# KiCad board AMC_FMC_Carrier-PcbDoc.kicad_pcb (continued)
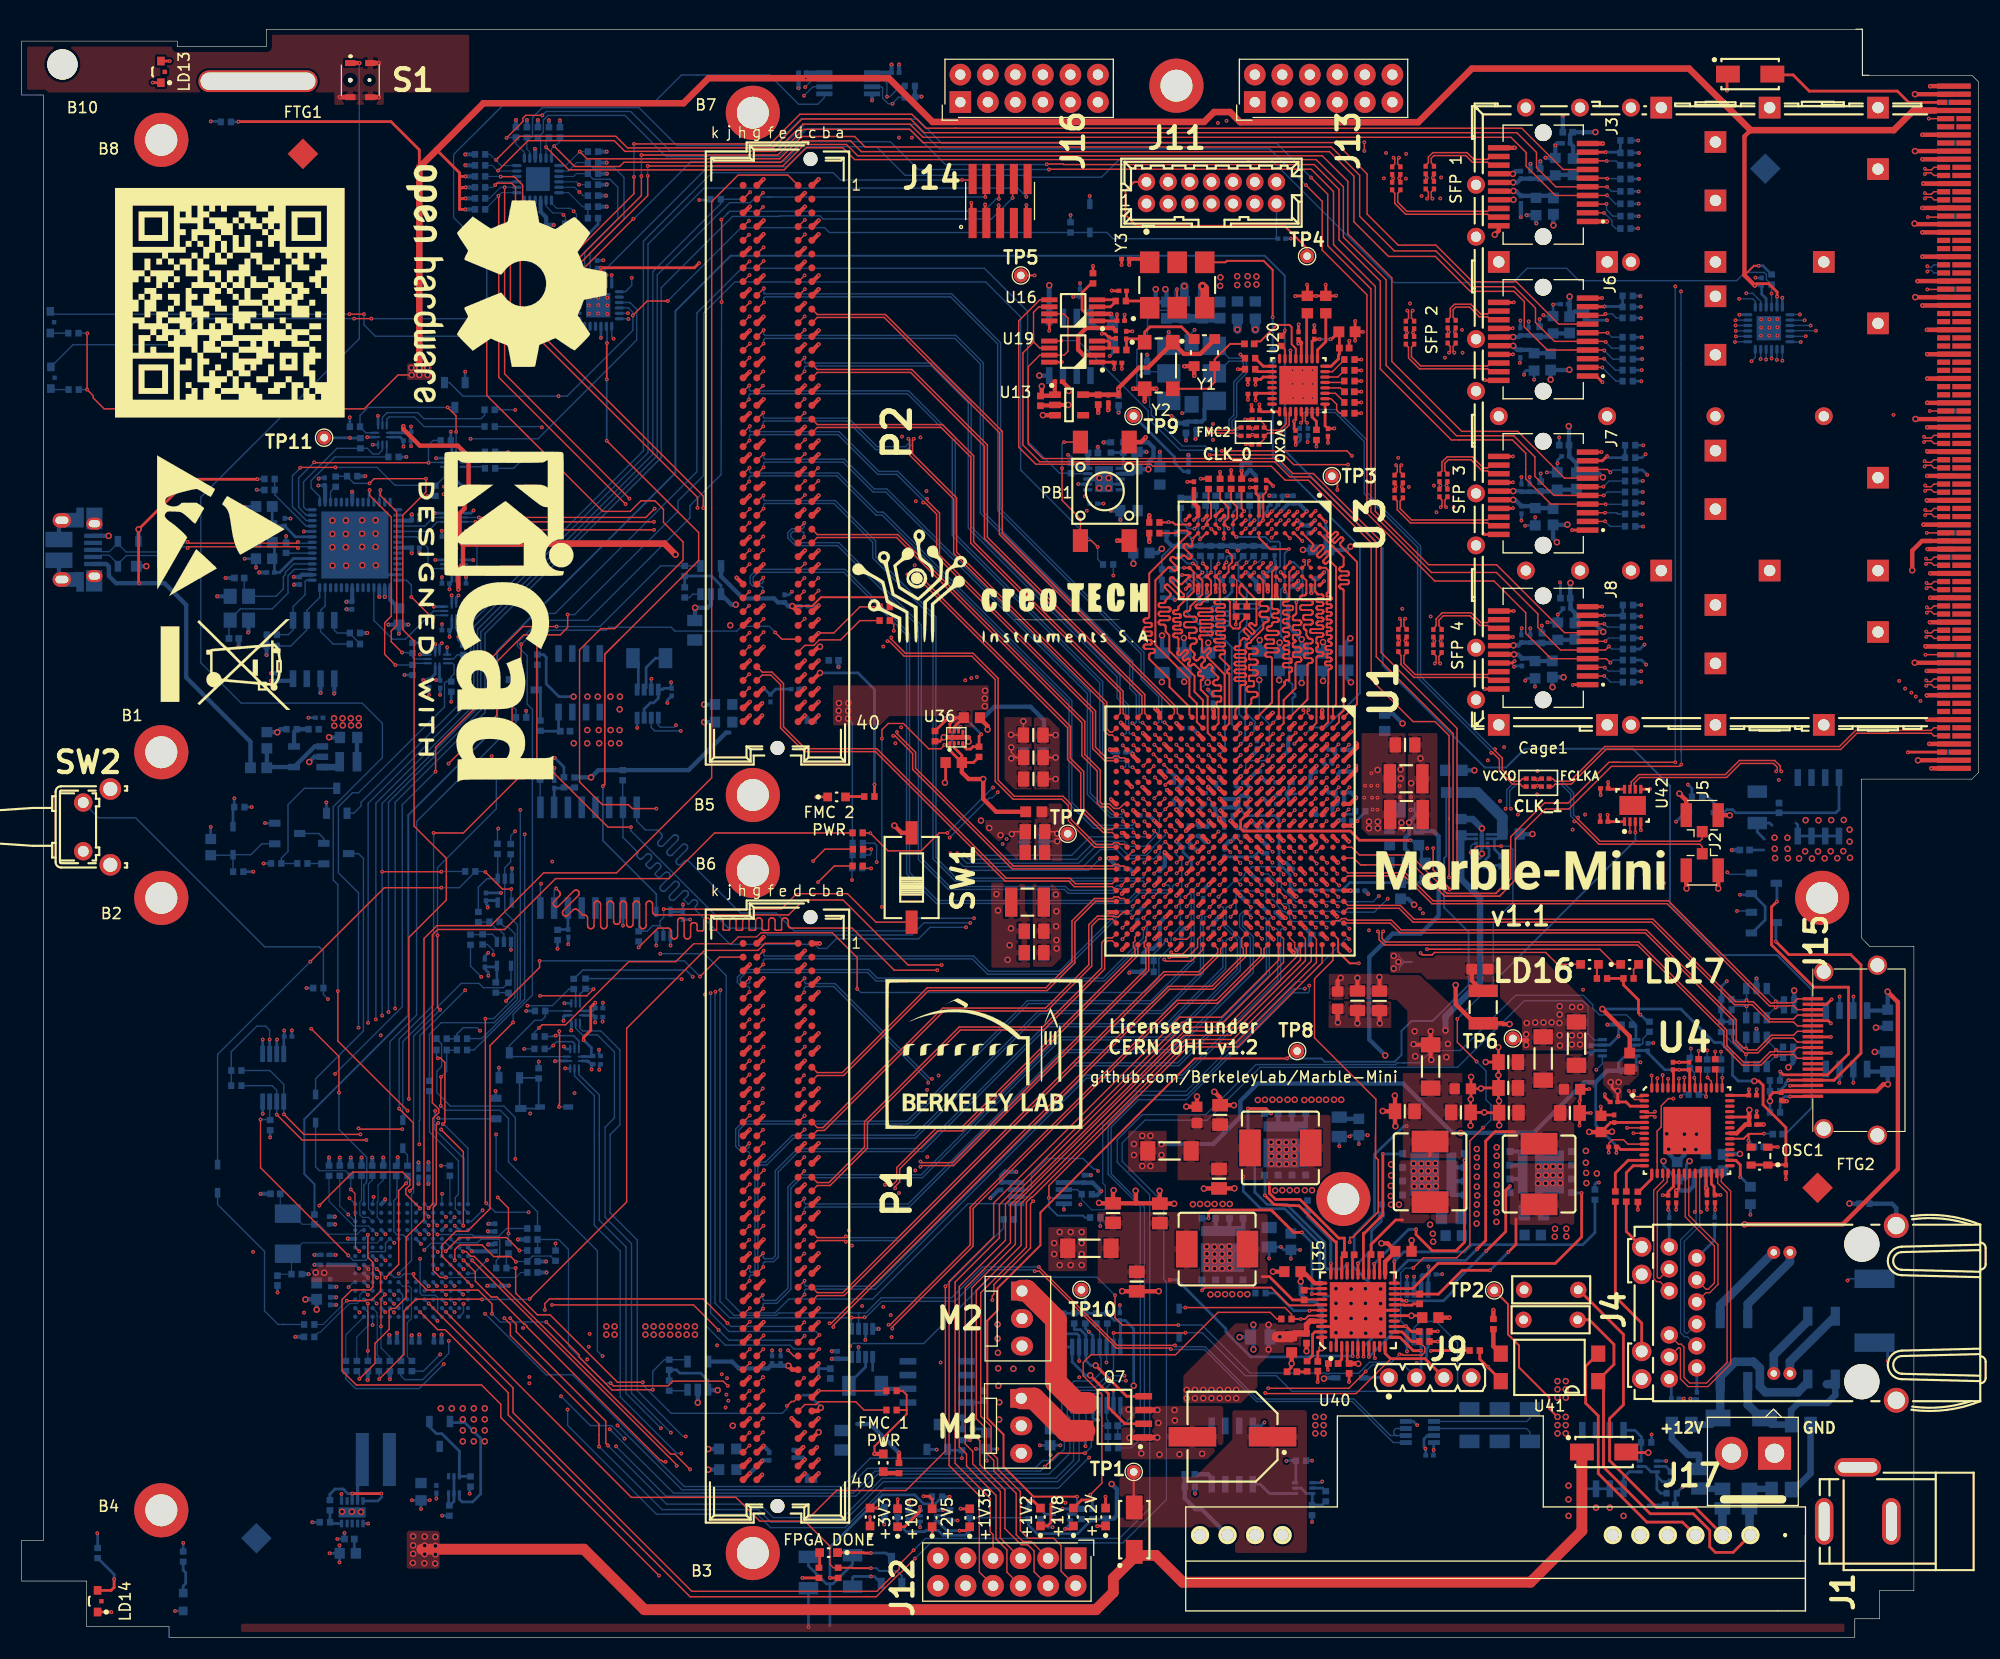
[diagram p0: board, top side]
## Routing (per net, layer and track width the routed paths; a pad name or vN(x,y) marks a point on that pad's centre or on a via; arc(x,y) is an arc through that point) (continued)
/FMC_1/FMC1_CLK1_M2C_N: length 39.3
  Top w0.112: 102.52,66.45 v1(102.46,66.45)
  Top w0.13: v1(102.46,66.45) 102.97,66.96 U1.Y19 ; P1.g3 v1(68.45,62.14)
  Bottom w0.13: v1(68.45,62.14) 68.45,62.52 68.58,62.65 87.74,62.65 89.15,61.24 95.89,61.24 101.45,66.8 102.37,66.8 102.46,66.71 v1(102.46,66.45)
/FMC_1/FMC1_CLK1_M2C_P: length 39.3
  Top w0.13: U1.Y18 103,67.96 v1(102.54,67.5) ; v1(68.48,63.41) 67.88,62.81 P1.g2
  Bottom w0.13: v1(102.54,67.5) 102.54,67.22 102.39,67.07 101.34,67.07 95.78,61.51 89.26,61.51 87.85,62.92 68.58,62.92 68.48,63.03 v1(68.48,63.41)
/FMC_1/FMC1_FUSE: length 35.3
  Top w0.127: v1(36.17,33.57) 36.17,33.32 37.42,32.07 42.13,32.07 43.41,30.79 v1(43.41,29.88) ; 55.09,22.85 55.11,22.87 v1(58.25,22.87) ; 55.09,22.85 54.99,22.85 ; 55.09,22.85 54.49,22.85 51.46,25.87 51.46,26.07 v1(48.41,29.12)
  Bottom w0.127: U2.F5 34,33.61 34.35,33.25 34.96,33.25 35.28,33.57 v1(36.17,33.57) ; U45.4 61.28,25.64 R260.2 59.33,25.64 58.25,24.57 v1(58.25,22.87) ; v1(43.41,29.88) 44.17,29.12 v1(48.41,29.12)
/FMC_1/FMC1_GBTCLK0_M2C_N: length 91.8
  Top w0.13: P1.d5 v1(72.24,59.58)
  In5.Cu w0.102: v1(83.67,51.22) 83.86,51.22 84.05,51.03 88.51,51.03 92.66,55.17 125.98,55.17 128.49,57.68 131.11,57.68 137.32,63.9 137.32,76.39 v1(137.45,76.52)
  Bottom w0.13: v1(137.45,76.52) 137.34,76.63 137.34,78.16 137.97,78.79 138.3,78.79 138.53,78.56 C295.1 ; v1(72.24,59.58) 72.24,59.96 72.38,60.1 74.95,60.1 83.67,51.38 v1(83.67,51.22)
/FMC_1/FMC1_GBTCLK0_M2C_P: length 91.9
  Top w0.13: P1.d4 v1(72.26,60.87)
  In5.Cu w0.102: v1(84.02,51.57) 84.02,51.39 84.15,51.26 88.42,51.26 92.56,55.4 125.88,55.4 128.4,57.91 131.02,57.91 137.1,63.99 137.1,76.39 v1(136.96,76.52)
  Bottom w0.13: v1(84.02,51.57) 83.86,51.57 75.06,60.37 72.38,60.37 72.26,60.49 v1(72.26,60.87) ; v1(136.96,76.52) 137.07,76.63 137.07,78.27 137.86,79.06 138.3,79.06 138.53,79.29 C293.1
/FMC_1/FMC1_PG_C2M: length 67.9
  Top w0.127: v1(46.89,31.25) 55.84,40.2 55.84,56.24 63.03,63.44 67.96,63.44 68.61,64.08 P1.d1 ; v1(32.99,23.84) 35.28,26.12 35.28,30.11 36.4,31.23 42.47,31.23 v1(42.49,31.2)
  Bottom w0.127: v1(32.99,23.84) 32.99,24.56 R153.1 ; v1(42.49,31.2) 46.84,31.2 v1(46.89,31.25)
/FMC_1/I2C_FMC1_SCL: length 127.2
  Top w0.127: v1(73.63,27.93) 72.96,27.25 P1.c30 ; v1(44.57,133.91) 44.57,116.68 v1(56.1,105.16)
  In2.Cu w0.127: v1(63.59,59.49) 63.59,66.81 59.8,70.6 59.8,85.32 59.05,86.07 59.05,91.38 56.12,94.31 56.12,105.13 v1(56.1,105.16)
  Bottom w0.102: U5.2 44.21,133.91 43.18,132.88 R45.1
  Bottom w0.127: 65.77,28.24 65.28,28.24 63.59,29.93 v1(63.59,59.49) ; 65.77,28.24 65.67,28.24 ; 65.77,28.24 73.32,28.24 v1(73.63,27.93) ; 44.51,133.91 v1(44.57,133.91)
/FMC_1/I2C_FMC1_SDA: length 128.2
  Top w0.127: v1(73.61,26.63) 72.96,25.98 P1.c31 ; v1(55.74,104.65) 44.03,116.36 44.03,133.1 v1(44,133.12)
  In2.Cu w0.127: 59.38,78.17 59.38,84.96 58.58,85.76 58.58,90.73 55.74,93.57 v1(55.74,104.65) ; 59.38,78.17 59.38,70.15 63.07,66.47 v1(63.07,59.36) ; 59.38,78.17 59.38,78.26
  Bottom w0.102: R46.1 42.79,131.88 44,133.1 v1(44,133.12) 44.29,133.41 U5.1
  Bottom w0.127: v1(63.07,59.36) 63.09,59.33 63.09,28.83 64.93,26.99 70.92,26.99 71.27,26.63 v1(73.61,26.63)
/FMC_2/FMC2_3P3VAUX: length 20.2
  Top w0.178: R299.1 80.12,95.65 79.72,96.05 73.78,96.05 72.97,95.24 v2(71.12,95.24)
  Top w0.4: v2(71.12,95.24) 71.64,94.72 P2.d32
  Bottom w0.4: U44.5 64.55,97.97 66.59,95.94 69.45,95.94 69.81,95.57 C10.1 70.77,95.21 C9.1
/FMC_2/FMC2_CLK0_M2C_N: length 73.1
  Top w0.13: P2.h5 66.61,129.01 v1(67.13,129.53) ; U1.W4 v1(103.55,82.44)
  In2.Cu w0.102: v1(103.55,82.44) 103.86,82.44 103.94,82.51 103.94,87.61 91.15,100.4 91.15,119.78 80.86,130.06 67.26,130.06 67.13,129.93 v1(67.13,129.53)
/FMC_2/FMC2_CLK0_M2C_P: length 73.5
  Top w0.13: U1.V4 105.02,81.96 v1(104.55,82.44) ; P2.h4 v1(67.13,130.82)
  In2.Cu w0.102: v1(104.55,82.44) 104.27,82.44 104.16,82.54 104.16,87.7 91.38,100.49 91.38,119.87 80.96,130.29 67.26,130.29 67.13,130.42 v1(67.13,130.82)
/FMC_2/FMC2_CLK1_M2C_N: length 76.2
  Top w0.102: 106.58,82.41 v1(106.58,82.44)
  Top w0.13: v1(106.58,82.44) 107.03,81.98 U1.T4 ; v1(68.43,132.09) 67.88,131.55 P2.g3
  In2.Cu w0.102: v1(106.58,82.44) 106.88,82.44 106.95,82.5 106.95,86.88 106.11,87.72 106.11,89.42 92.57,102.96 92.57,121.71 81.65,132.63 68.53,132.63 68.43,132.52 v1(68.43,132.09)
/FMC_2/FMC2_CLK1_M2C_P: length 76.6
  Top w0.13: P2.g2 v1(68.43,133.39) ; U1.R4 108.02,81.96 v1(107.54,82.44)
  In2.Cu w0.102: v1(68.43,133.39) 68.43,132.96 68.53,132.85 81.75,132.85 92.8,121.8 92.8,103.06 106.34,89.52 106.34,87.82 107.17,86.98 107.17,82.52 107.26,82.44 v1(107.54,82.44)
/FMC_2/FMC2_FUSE: length 88.4
  Top w0.127: v1(49.36,93.34) 46.26,93.34 43.17,90.25 43.17,87.15 38.2,82.18 v1(38.2,79.95)
  In2.Cu w0.127: v1(30.17,32.35) 29.56,32.96 29.56,39.41 28.71,40.26 28.71,51.82 v1(28.93,52.03)
  Bottom w0.127: v1(49.36,93.34) 53.37,93.34 58.98,98.95 R258.2 62.63,98.95 U44.4 ; U2.E1 30.63,32.81 v1(30.17,32.35) ; v1(28.93,52.03) 35.13,58.23 35.13,76.87 v1(38.2,79.95)
/FMC_2/FMC2_GBTCLK0_M2C_N: length 54.7
  Top w0.13: P2.d5 71.74,129.01 v1(72.29,129.55) ; C291.1 112.21,110.95 111.96,111.2 109.58,111.2 v1(109.47,111.09)
  In5.Cu w0.102: v1(109.47,111.09) 109.34,111.22 93.15,111.22 92.21,112.16 92.21,120.82 82.92,130.11 72.39,130.11 72.29,130.01 v1(72.29,129.55)
/FMC_2/FMC2_GBTCLK0_M2C_P: length 54.7
  Top w0.13: v1(109.47,111.58) 109.58,111.47 111.96,111.47 112.21,111.72 C290.1 ; P2.d4 v1(72.29,130.9)
  In5.Cu w0.102: v1(109.47,111.58) 109.34,111.45 93.25,111.45 92.44,112.25 92.44,120.91 83.02,130.34 72.39,130.34 72.29,130.44 v1(72.29,130.9)
/FMC_2/FMC2_PG_C2M: length 139.5
  Top w0.127: P2.d1 70.71,135.04 66.14,135.04 63.69,132.59 63.69,79.37 54.91,70.6 48.18,70.6 43.31,65.72 38.33,65.72 37.13,64.53 37.13,38.59 35.48,36.94 35.48,31.37 34.48,30.38 34.1,30.38 33.92,30.2 33.92,28.45 32.61,27.15 32.61,25.31 v1(31.17,23.87)
  Bottom w0.127: v1(31.17,23.87) 31.17,24.35 R154.1
/FMC_2/I2C_FMC2_SCL: length 57.6
  Top w0.127: v1(73.53,97.82) 72.97,97.26 P2.c30 ; v1(62.92,104.28) 62.92,105.39 46.01,122.29 46.01,131.06 46.24,131.28 46.24,134.11 45.47,134.89 v1(44.21,134.89)
  In5.Cu w0.118: v1(73.53,97.82) 73.2,98.15 73.2,99.41 72.69,99.92 67,99.92
  In5.Cu w0.127: 67,99.92 66.77,99.92 64.85,101.84 64.85,102.81 63.37,104.28 v1(62.92,104.28)
  Bottom w0.102: R47.1 45.7,134.91 U5.4
/FMC_2/I2C_FMC2_SDA: length 59.3
  Top w0.127: v1(62.38,104.3) 62.38,105.27 45.11,122.54 45.11,131.85 45.58,132.32 45.58,133.93 45.23,134.29 43.87,134.29 v1(43.7,134.11) ; v1(73.56,96.66) 72.94,96.04 P2.c31
  In5.Cu w0.127: v1(73.56,96.66) 72.69,97.52 72.69,99.35 72.47,99.58 66.24,99.58 64.13,101.69 64.13,102.93 63.3,103.77 62.92,103.77 v1(62.38,104.3)
  Bottom w0.102: U5.3 44,134.41 43.48,133.9 R48.1
/FMC_TCK: length 30.2
  In5.Cu w0.127: v1(42.95,34.84) 42.95,35.17 43.69,35.9 43.69,39.05 45.57,40.93 v1(45.57,44.18)
  Bottom w0.127: U2.F14 41.72,33.61 v1(42.95,34.84) ; 38.28,55.3 R239.2 38.29,55.26 38.76,54.79 38.76,52.72 38.33,52.29 38.33,50.3 39.57,49.06 44.5,49.06 45.57,47.99 45.57,44.11
/FMC_TDI: length 26.9
  In2.Cu w0.127: v1(42.54,39.43) 42.54,41.49 42.72,41.67 42.72,56.32 42.42,56.63 v1(42.42,61)
  Bottom w0.127: R237.1 41.43,61.99 v1(42.42,61) ; v1(42.54,39.43) 41.52,38.41 U2.M14
/FMC_TDO: length 12.6
  Bottom w0.127: R275.2 37.64,46.67 40.31,44.01 40.31,40.91 40.02,40.62 40.02,39.57 U2.N13
/FMC_TMS: length 15.8
  Top w0.127: v1(38.42,53.48) 38.67,53.48 39.06,53.08 39.06,47.56 v1(38.89,47.38)
  Bottom w0.127: U2.P14 41.19,45.16 38.96,47.38 v1(38.89,47.38) ; R240.2 38.29,53.61 v1(38.42,53.48) ; 38.33,54.2 38.32,54.22
/FMC_TRST: length 7.6
  Bottom w0.127: U2.K12 39.96,36.44 42.06,36.44 42.39,36.77 44.05,36.77 44.12,36.7 44.12,35.12 43.8,34.8 R290.2
/FPGA/CCLK: length 72
  Top w0.127: U1.L12 112.03,73.93 v1(112.55,73.42)
  In2.Cu w0.127: v1(90.55,73.26) 91.21,73.26 91.79,72.68 97.54,72.68 97.91,73.05 112.06,73.05 112.21,73.21 112.34,73.21 v1(112.55,73.42)
  In5.Cu w0.127: v1(47.94,69.59) 50.87,72.51 57.9,72.51 57.97,72.51 58.03,72.48 58.09,72.45 58.14,72.4 58.17,72.34 58.2,72.28 58.2,72.21 58.2,72.16 58.21,72.09 58.23,72.03 58.27,71.97 58.32,71.92 58.37,71.89 58.44,71.86 58.5,71.86 58.57,71.86 58.63,71.89 58.69,71.92 58.74,71.97 58.77,72.03 58.8,72.09 58.8,72.16 58.8,72.87 58.81,72.94 58.83,73 58.87,73.06 58.92,73.11 58.97,73.14 59.04,73.17 59.1,73.17 59.17,73.17 59.23,73.14 59.29,73.11 59.34,73.06 59.37,73 59.4,72.94 59.4,72.87 59.4,72.81 59.41,72.75 59.43,72.68 59.47,72.63 59.52,72.58 59.57,72.54 59.64,72.52 59.7,72.51 64.5,72.51 65.79,73.8 70.43,73.8 70.97,73.26 v1(90.55,73.26)
  Bottom w0.127: U30.16 47.88,69.53 v1(47.94,69.59)
/FPGA/CFG_WP_B: length 63.3
  Top w0.127: 55.14,92.1 62.48,99.44 62.48,102.02 v1(54,110.5)
  Top w0.15: v1(54.02,119.52) 54,119.49 v1(54,116.17) ; 55.14,92.1 53.82,90.78 53.82,78.77 v1(53.64,78.6)
  Bottom w0.15: v1(54.02,119.52) 54.02,121 U39.8 ; v1(54,116.17) v1(54,110.5) ; v1(53.64,78.6) 53.64,73.57 58.58,68.63 U11.4
/FPGA/CLK20_VCXO: length 67.4
  Top w0.178: v1(119.46,68.49) 119.03,68.92 U1.D17
  In2.Cu w0.118: v1(119.46,68.49) 119.15,68.8 117.14,68.8 116.76,69.18 116.51,69.18 115.67,70.01 112.27,70.01 111.96,70.32 111.96,72.58 112.34,72.96 112.65,72.96 113,73.32 113,73.8 113.49,74.28 114.63,74.28 ; 114.63,74.28 114.83,74.28 ; 114.63,74.28 116.26,74.28 117.02,75.04 117.02,81.5 118.49,82.97 v1(118.49,83.43)
  Bottom w0.178: v1(118.49,83.43) 119.09,84.02 120.36,84.02 123.52,87.19 123.52,100.72 120.83,103.41 120.83,103.7 115.47,109.06 R103.2
/FPGA/DDR3_CAS: length 27.5
  Top w0.178: v1(114.55,80.56) 114.03,80.03 U1.J6 ; v1(112.98,102.37) 112.59,101.99 U3.K3
  In2.Cu w0.118: v1(114.55,80.56) 114.12,80.99 114.12,86.7 113.39,87.42 113.39,89.2 113.4,89.27 113.42,89.33 113.46,89.39 113.5,89.43 113.56,89.47 113.62,89.49 113.69,89.5 113.78,89.5 113.85,89.51 113.91,89.53 113.97,89.56 114.02,89.61 114.05,89.67 114.07,89.73 114.08,89.8 114.07,89.87 114.05,89.93 114.02,89.99 113.97,90.03 113.91,90.07 113.85,90.09 113.78,90.1 113.69,90.1 113.62,90.11 113.56,90.13 113.5,90.16 113.46,90.21 113.42,90.27 113.4,90.33 113.39,90.4 113.39,92.07 114.22,92.9 114.22,95.92 113.39,96.74 113.39,96.77 113.39,96.77 113.39,100.01 112.98,100.42 v1(112.98,102.37)
  Bottom w0.178: 113.33,104.29 113.33,103.34 113.34,103.34 113.34,102.74 v1(112.98,102.37)
/FPGA/DDR3_CK_N: length 26.3
  Top w0.118: v1(113.06,99.27) 113.06,99.23 U3.K7 ; U1.P4 109.03,81.96 v1(108.58,82.4)
  In5.Cu w0.102: v1(113.06,99.27) 113.06,98.92 112.73,98.92 111.4,97.59 111.4,95.54 111.14,95.28 111.14,93.17 111.13,93.11 111.11,93.05 111.08,92.99 111.03,92.95 110.98,92.91 110.92,92.89 110.86,92.89 110.68,92.89 110.57,92.87 110.47,92.84 110.38,92.78 110.3,92.7 110.24,92.61 110.21,92.51 110.19,92.4 110.19,92.34 110.21,92.23 110.24,92.13 110.3,92.04 110.38,91.96 110.47,91.91 110.57,91.87 110.68,91.86 111.71,91.86 111.76,91.85 111.81,91.83 111.85,91.81 111.89,91.77 111.92,91.73 111.93,91.68 111.94,91.63 111.94,91.51 111.93,91.46 111.92,91.42 111.89,91.37 111.85,91.34 111.81,91.31 111.76,91.29 111.71,91.29 111.57,91.29 111.48,91.28 111.39,91.24 111.3,91.19 111.24,91.12 111.18,91.04 111.15,90.95 111.14,90.86 111.14,83.4 111.14,83.35 111.12,83.31 111.1,83.27 111.07,83.24 111.03,83.22 110.99,83.2 110.94,83.2 110.87,83.2 110.82,83.19 110.78,83.18 110.74,83.15 110.71,83.12 110.69,83.08 110.67,83.04 110.67,83 110.67,82.95 110.69,82.91 110.71,82.87 110.74,82.84 110.78,82.82 110.82,82.8 110.87,82.8 110.94,82.8 110.99,82.79 111.03,82.78 111.07,82.75 111.1,82.72 111.12,82.68 111.14,82.64 111.14,82.6 111.14,82.41 110.81,82.08 109.35,82.08 109.27,82 108.72,82 108.58,82.13 v1(108.58,82.4)
  Bottom w0.118: R21.2 113.14,99.27 v1(113.06,99.27)
/FPGA/DDR3_CK_P: length 26.5
  Top w0.118: U1.P5 109.02,80.96 v1(108.6,81.38) ; v1(113.85,99.27) 113.85,99.22 U3.J7
  In5.Cu w0.102: v1(108.6,81.38) 108.6,81.66 108.71,81.77 109.36,81.77 109.44,81.85 110.9,81.85 111.37,82.32 111.37,90.83 111.38,90.88 111.39,90.93 111.42,90.97 111.46,91.01 111.5,91.03 111.55,91.05 111.6,91.06 111.74,91.06 111.83,91.07 111.93,91.1 112.01,91.15 112.08,91.22 112.13,91.3 112.16,91.39 112.17,91.49 112.17,91.66 112.16,91.75 112.13,91.84 112.08,91.92 112.01,91.99 111.93,92.04 111.83,92.08 111.74,92.09 110.71,92.09 110.64,92.09 110.58,92.11 110.53,92.15 110.48,92.19 110.45,92.25 110.43,92.31 110.42,92.37 110.43,92.44 110.45,92.5 110.48,92.55 110.53,92.59 110.58,92.63 110.64,92.65 110.71,92.66 110.89,92.66 110.99,92.67 111.1,92.71 111.19,92.76 111.27,92.84 111.32,92.93 111.36,93.03 111.37,93.14 111.37,95.19 111.62,95.44 111.62,97.46 112.85,98.69 113.26,98.69 v1(113.85,99.27)
  Bottom w0.118: v1(113.85,99.27) 114.15,99.27 R20.2
/FPGA/DDR3_CKE: length 27.7
  Top w0.178: U1.L1 112.03,85.69 112.48,86.14 112.48,87.78 112.49,87.82 112.5,87.86 112.52,87.89 112.55,87.92 112.58,87.94 112.62,87.95 112.66,87.96 112.83,87.96 112.87,87.96 112.91,87.98 112.95,88 112.97,88.02 112.99,88.06 113.01,88.1 113.01,88.14 113.01,88.18 112.99,88.21 112.97,88.25 112.95,88.28 112.91,88.3 112.87,88.31 112.83,88.31 112.13,88.31 112.09,88.32 112.05,88.33 112.02,88.35 111.99,88.38 111.97,88.41 111.95,88.45 111.95,88.49 111.95,88.53 111.97,88.57 111.99,88.6 112.02,88.63 112.05,88.65 112.09,88.67 112.13,88.67 112.83,88.67 112.87,88.67 112.91,88.69 112.95,88.71 112.97,88.74 112.99,88.77 113.01,88.81 113.01,88.85 113.01,88.89 112.99,88.93 112.97,88.96 112.95,88.99 112.91,89.01 112.87,89.02 112.83,89.03 112.13,89.03 112.09,89.03 112.05,89.04 112.02,89.06 111.99,89.09 111.97,89.13 111.95,89.16 111.95,89.2 111.95,89.24 111.97,89.28 111.99,89.31 112.02,89.34 112.05,89.36 112.09,89.38 112.13,89.38 112.83,89.38 112.87,89.39 112.91,89.4 112.95,89.42 112.97,89.45 112.99,89.48 113.01,89.52 113.01,89.56 113.01,89.6 112.99,89.64 112.97,89.67 112.95,89.7 112.91,89.72 112.87,89.73 112.83,89.74 112.13,89.74 112.09,89.74 112.05,89.76 112.02,89.78 111.99,89.8 111.97,89.84 111.95,89.88 111.95,89.92 111.95,89.96 111.97,89.99 111.99,90.03 112.02,90.06 112.05,90.08 112.09,90.09 112.13,90.09 112.83,90.09 112.87,90.1 112.91,90.11 112.95,90.13 112.97,90.16 112.99,90.19 113.01,90.23 113.01,90.27 113.01,90.31 112.99,90.35 112.97,90.38 112.95,90.41 112.91,90.43 112.87,90.45 112.83,90.45 112.13,90.45 112.09,90.45 112.05,90.47 112.02,90.49 111.99,90.52 111.97,90.55 111.95,90.59 111.95,90.63 111.95,90.67 111.97,90.71 111.99,90.74 112.02,90.77 112.05,90.79 112.09,90.8 112.13,90.81 112.83,90.81 112.87,90.81 112.91,90.82 112.95,90.84 112.97,90.87 112.99,90.91 113.01,90.94 113.01,90.98 113.01,91.02 112.99,91.06 112.97,91.09 112.95,91.12 112.91,91.14 112.87,91.16 112.83,91.16 112.13,91.16 112.09,91.17 112.05,91.18 112.02,91.2 111.99,91.23 111.97,91.26 111.95,91.3 111.95,91.34 111.95,91.38 111.97,91.42 111.99,91.45 112.02,91.48 112.05,91.5 112.09,91.51 112.13,91.52 112.3,91.52 112.34,91.52 112.38,91.54 112.41,91.56 112.44,91.58 112.46,91.62 112.48,91.66 112.48,91.7 112.48,92 112.71,92.23 112.74,92.25 112.78,92.27 112.82,92.28 112.86,92.28 112.9,92.27 112.93,92.25 112.96,92.23 112.98,92.21 113.01,92.18 113.05,92.17 113.09,92.16 113.13,92.16 113.16,92.17 113.2,92.18 113.23,92.21 113.26,92.24 113.27,92.27 113.28,92.31 113.28,92.35 113.27,92.39 113.26,92.43 113.23,92.46 112.84,92.85 112.81,92.88 112.8,92.92 112.79,92.96 112.79,93 112.8,93.04 112.81,93.07 112.84,93.11 112.87,93.13 112.91,93.15 112.94,93.16 112.98,93.16 113.02,93.15 113.06,93.13 113.09,93.11 113.48,92.71 113.51,92.69 113.55,92.67 113.59,92.66 113.63,92.66 113.67,92.67 113.7,92.69 113.74,92.71 113.76,92.74 113.78,92.78 113.79,92.82 113.79,92.86 113.78,92.9 113.76,92.93 113.74,92.96 113.34,93.36 113.32,93.39 113.3,93.42 113.29,93.46 113.29,93.5 113.3,93.54 113.32,93.58 113.34,93.61 113.37,93.63 113.41,93.65 113.45,93.66 113.49,93.66 113.53,93.65 113.56,93.63 113.59,93.61 113.72,93.48 113.75,93.46 113.78,93.44 113.82,93.43 113.86,93.43 113.9,93.44 113.94,93.46 113.97,93.48 113.97,95.79 U3.K9 112.39,96.97 112.39,96.46 113.08,95.77 R22.2
/FPGA/DDR3_CS: length 3.7
  Top w0.178: 111.63,106.1 111.63,104.94 112.18,104.39 112.18,103.38 111.79,102.99 U3.L2
/FPGA/DDR3_LDM: length 22.7
  Top w0.178: v1(117.65,95.59) 117.65,94.57 117.58,94.5 117.57,94.47 117.56,94.44 117.55,94.42 117.53,94.4 117.51,94.38 117.48,94.37 117.42,94.37 117.4,94.36 117.37,94.34 117.35,94.32 117.34,94.3 117.33,94.27 117.33,94.25 117.33,94.05 117.33,94.02 117.34,93.99 117.35,93.97 117.37,93.95 117.4,93.93 117.42,93.92 117.45,93.92 117.58,93.92 117.58,93.92 117.9,93.92 117.95,93.91 118,93.9 118.04,93.87 118.07,93.84 118.1,93.79 118.12,93.75 118.12,93.7 118.12,93.65 118.1,93.6 118.07,93.56 118.04,93.52 118,93.49 117.95,93.48 117.9,93.47 117.45,93.47 117.42,93.47 117.4,93.46 117.37,93.44 117.35,93.42 117.34,93.4 117.33,93.37 117.33,93.35 117.33,93.14 117.33,93.12 117.34,93.09 117.35,93.07 117.37,93.05 117.4,93.03 117.42,93.02 117.45,93.02 117.8,93.02 117.85,93.01 117.9,93 117.94,92.97 117.97,92.94 118,92.89 118.02,92.85 118.02,92.8 118.02,92.79 118.02,92.74 118,92.7 117.97,92.65 117.94,92.62 117.9,92.59 117.85,92.58 117.8,92.57 117.45,92.57 117.42,92.57 117.4,92.56 117.37,92.54 117.35,92.52 117.34,92.5 117.33,92.47 117.33,92.45 117.33,92.24 117.33,92.22 117.34,92.19 117.35,92.17 117.37,92.15 117.4,92.13 117.42,92.12 117.48,92.12 117.51,92.11 117.53,92.09 117.55,92.07 117.56,92.05 117.57,92.02 117.58,92 117.57,91.97 117.56,91.94 117.55,91.92 117.53,91.9 117.51,91.88 117.48,91.87 117.42,91.87 117.4,91.86 117.37,91.84 117.35,91.82 117.34,91.8 117.33,91.77 117.33,91.75 117.33,91.55 117.33,91.52 117.34,91.49 117.35,91.47 117.37,91.45 117.4,91.43 117.42,91.42 117.45,91.42 117.58,91.42 117.58,91.42 117.9,91.42 117.95,91.41 118,91.4 118.04,91.37 118.07,91.34 118.1,91.29 118.12,91.25 118.12,91.2 118.12,91.15 118.1,91.1 118.07,91.06 118.04,91.02 118,90.99 117.95,90.98 117.9,90.97 117.45,90.97 117.42,90.97 117.4,90.96 117.37,90.94 117.35,90.92 117.34,90.9 117.33,90.87 117.33,90.85 117.33,90.64 117.33,90.62 117.34,90.59 117.35,90.57 117.37,90.55 117.4,90.53 117.42,90.52 117.45,90.52 117.9,90.52 117.95,90.51 118,90.5 118.04,90.47 118.07,90.44 118.1,90.39 118.12,90.35 118.12,90.3 118.12,90.25 118.1,90.2 118.07,90.16 118.04,90.12 118,90.09 117.95,90.08 117.9,90.07 117.8,90.07 117.75,90.06 117.7,90.05 117.66,90.02 117.62,89.99 117.6,89.94 117.58,89.9 117.58,89.85 117.58,87.64 116.48,86.55 116.48,84.41 U1.G2 ; v1(117.07,99.28) 117.07,99.24 U3.E7
  Bottom w0.178: v1(117.07,99.28) 117.43,99.28 118.22,98.49 118.22,96.16 v1(117.65,95.59)
/FPGA/DDR3_LDQS_N: length 22.7
  Top w0.118: U3.G3 114.99,101.97 v1(115.39,102.37) ; v1(114.45,84.39) 114.45,84.38 U1.J2
  Top w0.178: U1.J2 114.03,83.97
  In5.Cu w0.102: v1(115.39,102.37) 115.39,102.18 115.45,102.12 115.89,102.12 116.15,101.85 116.15,101.2 116.14,101.11 116.11,101.02 116.06,100.94 116,100.87 115.92,100.83 115.83,100.79 115.74,100.78 115.6,100.78 115.55,100.78 115.51,100.76 115.47,100.74 115.43,100.71 115.41,100.67 115.39,100.62 115.39,100.57 115.39,100.53 115.41,100.48 115.43,100.44 115.47,100.41 115.51,100.38 115.55,100.37 115.6,100.36 115.74,100.36 115.83,100.35 115.92,100.32 116,100.27 116.06,100.21 116.11,100.13 116.14,100.04 116.15,99.95 116.15,98.96 115.68,98.5 115.68,96.29 115.43,96.03 115.43,95.53 115.42,95.46 115.4,95.39 115.36,95.34 115.32,95.29 115.26,95.25 115.19,95.23 115.13,95.22 114.99,95.22 114.97,95.22 114.95,95.21 114.93,95.2 114.92,95.19 114.91,95.17 114.9,95.15 114.9,95.13 114.9,95.09 114.9,95.07 114.91,95.05 114.92,95.04 114.93,95.02 114.95,95.01 114.97,95 114.99,95 115.13,95 115.19,94.99 115.26,94.97 115.32,94.93 115.36,94.89 115.4,94.83 115.42,94.76 115.43,94.7 115.43,94.05 113.74,92.36 113.74,87.26 114.07,86.93 114.07,84.78 v1(114.45,84.39)
/FPGA/DDR3_LDQS_P: length 22.7
  Top w0.118: U1.K2 113.03,83.97 v1(113.46,84.39) ; U3.F3 115.79,101.96 v1(115.38,101.55)
  Top w0.178: U1.K2 113.03,83.96
  In5.Cu w0.102: v1(115.38,101.55) 115.38,101.75 115.48,101.85 115.82,101.85 115.92,101.75 115.92,101.22 115.92,101.18 115.9,101.13 115.88,101.09 115.84,101.06 115.8,101.03 115.76,101.02 115.71,101.01 115.57,101.01 115.48,101 115.39,100.97 115.31,100.92 115.25,100.86 115.2,100.78 115.17,100.69 115.16,100.6 115.16,100.55 115.17,100.46 115.2,100.37 115.25,100.29 115.31,100.22 115.39,100.18 115.48,100.14 115.57,100.13 115.71,100.13 115.76,100.13 115.8,100.11 115.84,100.09 115.88,100.06 115.9,100.02 115.92,99.97 115.92,99.92 115.92,99.06 115.45,98.59 115.45,96.38 115.2,96.13 115.2,95.54 115.2,95.52 115.19,95.5 115.18,95.49 115.17,95.47 115.15,95.46 115.13,95.45 115.11,95.45 114.97,95.45 114.91,95.44 114.84,95.42 114.78,95.38 114.74,95.34 114.7,95.28 114.68,95.21 114.67,95.15 114.67,95.08 114.68,95.01 114.7,94.94 114.74,94.89 114.78,94.84 114.84,94.8 114.91,94.78 114.97,94.77 115.11,94.77 115.13,94.77 115.15,94.76 115.17,94.75 115.18,94.74 115.19,94.72 115.2,94.7 115.2,94.68 115.2,94.15 114.35,93.3 114.33,93.28 114.3,93.26 114.26,93.26 114.23,93.26 114.2,93.26 114.17,93.28 114.11,93.32 114.08,93.34 114.05,93.34 114.02,93.34 113.98,93.34 113.95,93.32 113.93,93.3 113.91,93.27 113.89,93.24 113.88,93.21 113.88,93.18 113.89,93.14 113.91,93.11 113.95,93.06 113.96,93.03 113.97,93 113.97,92.96 113.96,92.93 113.95,92.9 113.93,92.87 113.51,92.45 113.51,87.16 113.84,86.83 113.84,84.78 v1(113.46,84.39)
/FPGA/DDR3_ODT: length 27.6
  Top w0.178: v1(113.44,82.44) 113.03,82.03 U1.K4 ; 112.6,103.57 U3.K1 112.59,103.77 112.83,104 v1(112.84,104) 112.6,104.24 R25.2
  In2.Cu w0.118: v1(113.44,82.44) 113.44,83.03 113.12,83.35 113.12,86.87 112.9,87.08 112.9,92.37 113.64,93.1 113.64,93.33 113.64,93.37 113.66,93.41 113.68,93.44 113.7,93.47 113.74,93.49 113.77,93.5 113.85,93.51 113.88,93.52 113.92,93.54 113.94,93.57 113.96,93.6 113.98,93.64 113.98,93.67 113.98,93.73 113.98,93.77 113.96,93.81 113.94,93.84 113.92,93.87 113.88,93.89 113.85,93.9 113.81,93.9 113.64,93.9 113.64,93.91 113.4,93.91 113.35,93.91 113.31,93.93 113.27,93.95 113.24,93.98 113.22,94.02 113.2,94.06 113.2,94.11 113.2,94.15 113.22,94.19 113.24,94.23 113.27,94.26 113.31,94.29 113.35,94.3 113.4,94.31 113.81,94.31 113.85,94.31 113.88,94.32 113.92,94.34 113.94,94.37 113.96,94.4 113.98,94.44 113.98,94.48 113.98,94.54 113.98,94.57 113.96,94.61 113.94,94.64 113.92,94.67 113.88,94.69 113.85,94.7 113.77,94.71 113.74,94.72 113.7,94.74 113.68,94.77 113.66,94.8 113.64,94.84 113.64,94.88 113.64,95.85 112.9,96.58 112.9,97.88 112.63,98.15 112.63,103.8 v1(112.84,104)
/FPGA/DDR3_RAS: length 27.6
  Top w0.178: U3.J3 113.41,101.97 v1(113.79,102.35) ; v1(114.6,82.49) 114.08,81.96 U1.J4
  In2.Cu w0.118: v1(113.79,102.35) 114.24,101.9 114.24,101.62 114.24,101.55 114.21,101.49 114.18,101.43 114.13,101.38 114.07,101.35 114.01,101.32 113.94,101.32 113.55,101.32 113.48,101.31 113.42,101.29 113.36,101.25 113.32,101.2 113.28,101.15 113.26,101.08 113.25,101.02 113.26,100.95 113.28,100.89 113.32,100.83 113.36,100.78 113.42,100.75 113.48,100.72 113.55,100.72 115.19,100.72 115.25,100.71 115.32,100.69 115.38,100.65 115.42,100.6 115.46,100.55 115.48,100.48 115.49,100.42 115.48,100.35 115.46,100.29 115.42,100.23 115.38,100.18 115.32,100.15 115.25,100.12 115.19,100.12 114.54,100.12 114.48,100.11 114.41,100.09 114.36,100.05 114.31,100 114.27,99.95 114.25,99.88 114.24,99.82 114.24,98.2 114.56,97.89 114.56,96.4 114.79,96.17 114.79,82.67 v1(114.6,82.49)
  Bottom w0.178: 114.32,104.29 114.32,103.82 114.16,103.65 114.16,102.71 v1(113.79,102.35)
/FPGA/DDR3_RST_N: length 41.4
  Top w0.178: U3.T2 106.46,102.77 106.27,102.96 R26.2 ; v1(116.42,82.39) 116.42,82.35 U1.G4
  In5.Cu w0.127: v1(105.85,102.98) 106.43,103.56 118.08,103.56 118.62,103.02 118.62,102.32 121.23,99.71 121.23,85.41 119.9,84.08 118.64,84.08 117.75,83.19 117.22,83.19 v1(116.42,82.39)
/FPGA/DDR3_UDM: length 23.8
  Top w0.178: U3.D3 117.46,101.97 118.17,101.25 v1(118.2,101.25) ; U1.E2 118.06,83.96 v1(118.52,84.42)
  In2.Cu w0.118: v1(118.2,101.25) 120.7,98.75 120.7,95.54 120.69,95.49 120.68,95.44 120.65,95.4 120.62,95.37 120.57,95.34 120.53,95.32 120.48,95.32 120.4,95.32 120.35,95.31 120.3,95.29 120.26,95.27 120.22,95.23 120.2,95.19 120.18,95.14 120.17,95.09 120.18,95.04 120.2,94.99 120.22,94.95 120.26,94.92 120.3,94.89 120.35,94.87 120.4,94.87 121,94.87 121.05,94.86 121.1,94.84 121.14,94.82 121.18,94.78 121.2,94.74 121.22,94.69 121.23,94.64 121.22,94.59 121.2,94.54 121.18,94.5 121.14,94.47 121.1,94.44 121.05,94.42 121,94.42 120.4,94.42 120.35,94.41 120.3,94.39 120.26,94.37 120.22,94.33 120.2,94.29 120.18,94.24 120.17,94.19 120.18,94.14 120.2,94.09 120.22,94.05 120.26,94.02 120.3,93.99 120.35,93.97 120.4,93.97 121,93.97 121.05,93.96 121.1,93.94 121.14,93.92 121.18,93.88 121.2,93.84 121.22,93.79 121.23,93.74 121.22,93.69 121.2,93.64 121.18,93.6 121.14,93.57 121.1,93.54 121.05,93.52 121,93.52 120.92,93.52 120.87,93.51 120.83,93.49 120.78,93.47 120.75,93.43 120.72,93.39 120.71,93.34 120.7,93.29 120.7,86.85 118.52,84.66 v1(118.52,84.42)
/FPGA/DDR3_UDQS_N: length 22.6
  Top w0.118: U3.B7 118.71,99.05 118.71,99.31 v1(118.83,99.42) ; U1.D1 118.65,85.34 118.65,85.52 v1(118.77,85.63)
  In2.Cu w0.102: v1(118.83,99.42) 118.71,99.3 118.71,98.21 118.71,98.15 118.73,98.09 118.76,98.04 118.8,98 118.85,97.97 118.91,97.95 118.97,97.94 119.21,97.94 119.31,97.93 119.41,97.9 119.5,97.84 119.57,97.77 119.62,97.68 119.66,97.58 119.67,97.48 119.67,97.42 119.66,97.32 119.62,97.22 119.57,97.13 119.5,97.06 119.41,97.01 119.31,96.97 119.21,96.96 118.97,96.96 118.91,96.95 118.85,96.93 118.8,96.9 118.76,96.86 118.73,96.81 118.71,96.76 118.71,96.7 118.71,96.68 118.7,96.61 118.67,96.54 118.64,96.48 118.59,96.43 118.52,96.39 118.46,96.37 118.39,96.36 118.25,96.36 118.23,96.36 118.2,96.35 118.18,96.33 118.17,96.32 118.15,96.3 118.14,96.27 118.14,96.25 118.14,95.94 118.14,95.92 118.15,95.9 118.17,95.87 118.18,95.86 118.2,95.84 118.23,95.84 118.25,95.83 119.21,95.83 119.31,95.82 119.41,95.79 119.5,95.73 119.57,95.66 119.62,95.57 119.66,95.47 119.67,95.37 119.67,95.31 119.66,95.21 119.62,95.11 119.57,95.02 119.5,94.95 119.41,94.9 119.31,94.86 119.21,94.85 118.15,94.85 118.1,94.85 118.06,94.83 118.02,94.8 117.99,94.77 117.96,94.73 117.95,94.69 117.94,94.64 117.94,94.54 117.95,94.49 117.96,94.44 117.99,94.4 118.02,94.37 118.06,94.35 118.1,94.33 118.15,94.33 118.29,94.33 118.38,94.31 118.47,94.28 118.55,94.24 118.62,94.17 118.66,94.09 118.7,94 118.71,93.91 118.71,93.12 119.07,92.76 119.07,92.66 119.07,92.64 119.08,92.62 119.09,92.6 119.11,92.58 119.13,92.57 119.15,92.56 119.18,92.55 119.31,92.55 119.38,92.55 119.45,92.52 119.51,92.48 119.56,92.43 119.6,92.37 119.62,92.31 119.63,92.23 119.63,91.89 119.62,91.82 119.6,91.75 119.56,91.69 119.51,91.64 119.45,91.6 119.38,91.58 119.31,91.57 118.56,91.57 118.53,91.57 118.49,91.56 118.46,91.54 118.44,91.51 118.42,91.48 118.41,91.45 118.4,91.41 118.4,91.21 118.41,91.17 118.42,91.14 118.44,91.11 118.46,91.08 118.49,91.06 118.53,91.05 118.56,91.05 118.7,91.05 118.78,91.04 118.86,91.01 118.93,90.97 118.99,90.91 119.03,90.84 119.06,90.76 119.07,90.68 119.07,86.84 118.65,86.42 118.65,85.76 v1(118.77,85.63)